# Altium PCB AVCI_Mk1.PcbDoc (part 1 of 4) (continued)
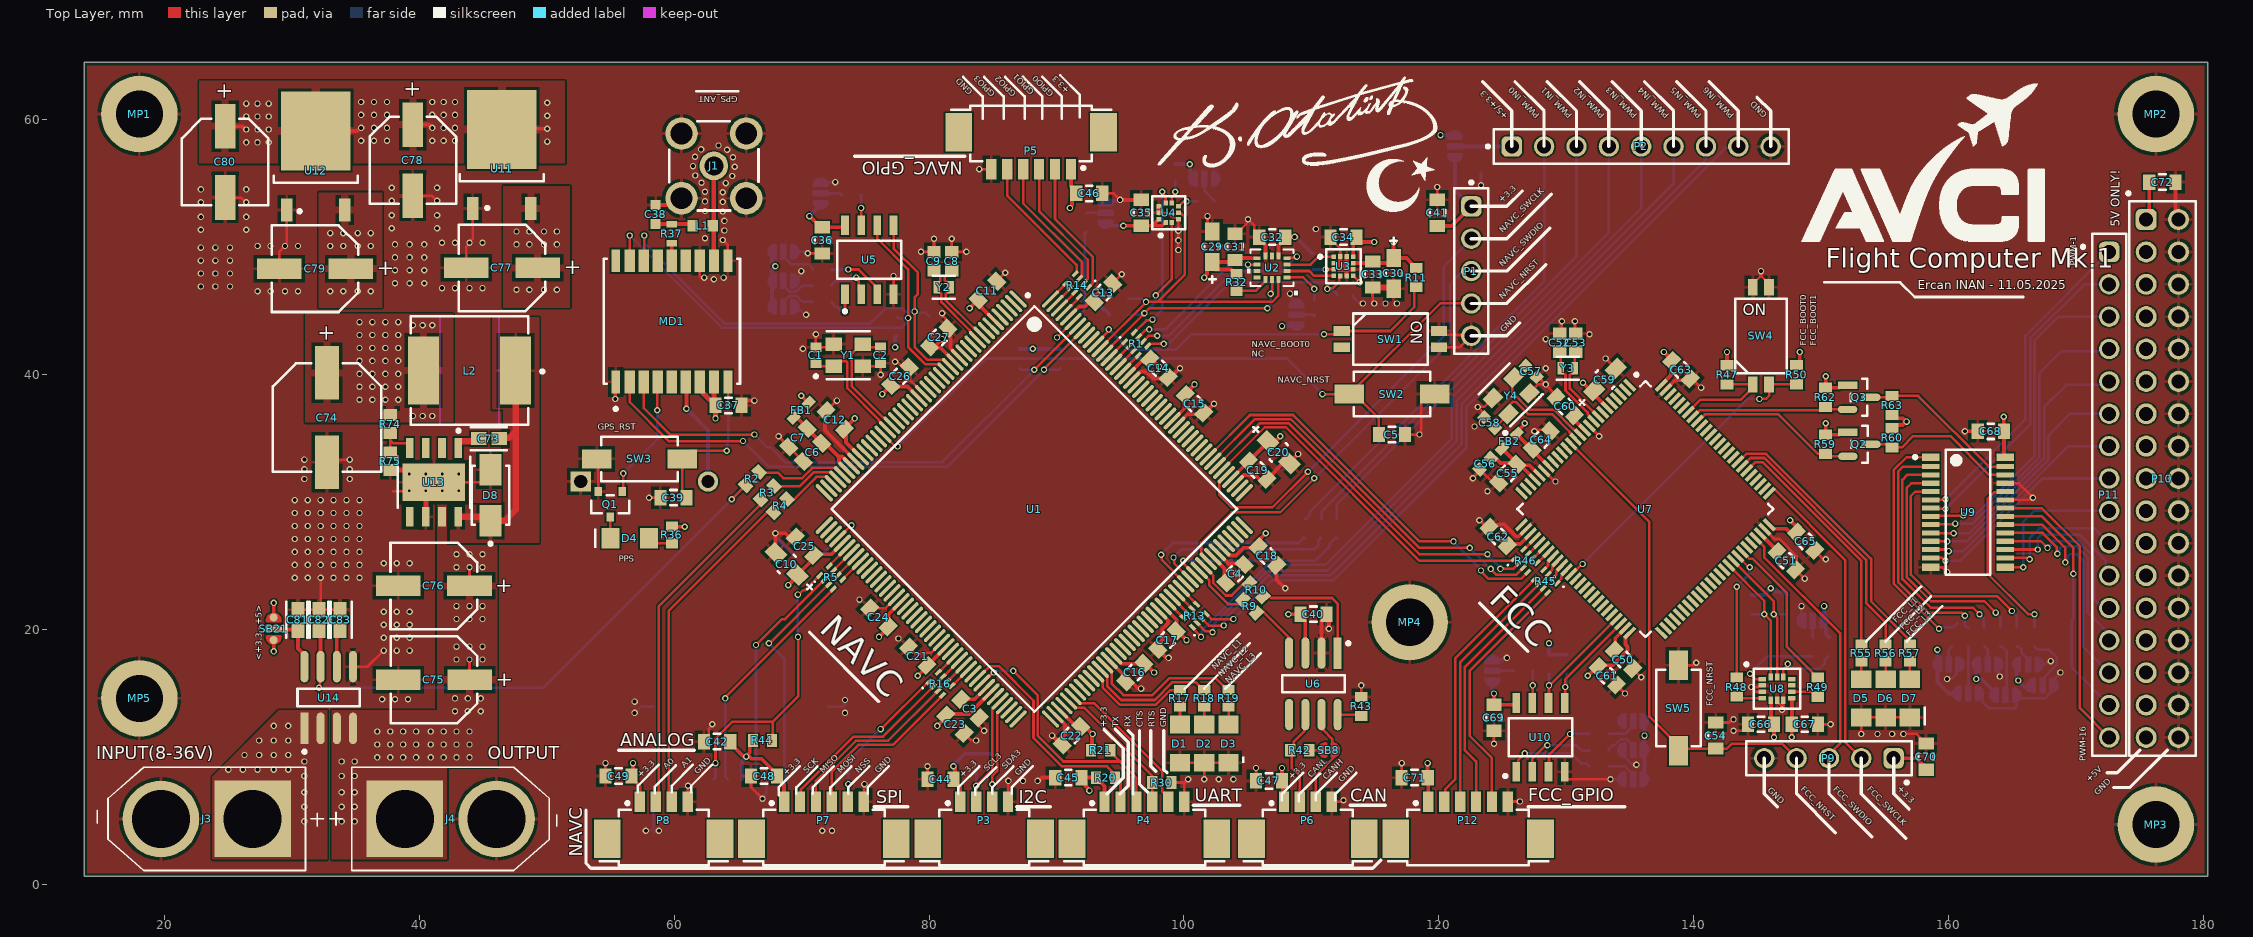
[diagram p0: Top Layer view]
## Components (designator, comment, footprint, x,y, rotation, side; value= is the part's Value field where it differs from the comment)
BT1 "CR-1220/HFN" FP-CR-1220-HFN-MFG 56.007,31.623 r0 bottom locked
C1 "10pF" CAPC1608X90X35LL10T15 71.12,41.529 r270 top locked
C2 "10pF" CAPC1608X90X35LL10T15 76.2,41.529 r90 top locked
C3 "2.2uF" FP-CGA3E-0_3-0_1-IPC_A 83.222,13.806 r315 top locked
C4 "2.2uF" FP-CGA3E-0_3-0_1-IPC_A 104.013,24.384 r45 top locked
C5 "100nF" FP-CGA3E-0_3-0_1-IPC_A 116.332,35.306 r0 top locked
C6 "100nF" FP-CGA3E-0_3-0_1-IPC_A 70.866,33.909 r225 top locked
C7 "1uF" FP-CGA3E-0_3-0_1-IPC_A 69.723,35.052 r225 top locked
C8 "22pF" CAPC1608X90X35ML10T15 81.788,48.895 r270 top locked
C9 "22pF" CAPC1608X90X35ML10T15 80.391,48.895 r270 top locked
C10 "10uF" FP-T491A106K006AT-MFG 68.834,25.146 r315 top locked
C11 "100nF" FP-CGA3E-0_3-0_1-IPC_A 84.582,46.609 r45 top locked
C12 "100nF" FP-CGA3E-0_3-0_1-IPC_A 72.644,36.449 r135 top locked
C13 "100nF" FP-CGA3E-0_3-0_1-IPC_A 93.689,46.445 r45 top locked
C14 "100nF" FP-CGA3E-0_3-0_1-IPC_A 98.044,40.513 r315 top locked
C15 "100nF" FP-CGA3E-0_3-0_1-IPC_A 100.838,37.719 r315 top locked
C16 "100nF" FP-CGA3E-0_3-0_1-IPC_A 96.139,16.637 r225 top locked
C17 "100nF" FP-CGA3E-0_3-0_1-IPC_A 98.679,19.177 r225 top locked
C18 "100nF" FP-CGA3E-0_3-0_1-IPC_A 106.553,25.781 r315 top locked
C19 "100nF" FP-CGA3E-0_3-0_1-IPC_A 105.791,32.512 r315 top locked
C20 "10uF" FP-T491A106K006AT-MFG 107.442,33.909 r135 top locked
C21 "100nF" FP-CGA3E-0_3-0_1-IPC_A 79.121,17.907 r135 top locked
C22 "100nF" FP-CGA3E-0_3-0_1-IPC_A 91.186,11.684 r225 top locked
C23 "100nF" FP-CGA3E-0_3-0_1-IPC_A 82.042,12.573 r315 top locked
C24 "100nF" FP-CGA3E-0_3-0_1-IPC_A 76.073,20.955 r135 top locked
C25 "100nF" FP-CGA3E-0_3-0_1-IPC_A 70.231,26.543 r135 top locked
C26 "100nF" FP-CGA3E-0_3-0_1-IPC_A 77.724,39.878 r45 top locked
C27 "100nF" FP-CGA3E-0_3-0_1-IPC_A 80.772,42.926 r45 top locked
C28 "220nF" FP-C0603C-CF-MFG 112.649,46.228 r0 bottom locked value="0.22 μF"
C29 "10uF" FP-T491A106K006AT-MFG 102.235,50.038 r270 top locked
C30 "10uF" FP-T491A106K006AT-MFG 116.459,47.949 r90 top locked
C31 "100nF" FP-CGA3E-0_3-0_1-IPC_A 104.013,50.038 r90 top locked
C32 "100nF" FP-CGA3E-0_3-0_1-IPC_A 106.934,50.8 r180 top locked
C33 "100nF" FP-CGA3E-0_3-0_1-IPC_A 114.808,47.87 r270 top locked
C34 "100nF" FP-CGA3E-0_3-0_1-IPC_A 112.522,50.8 r180 top locked
C35 "100nF" FP-CGA3E-0_3-0_1-IPC_A 96.651,52.714 r90 top locked
C36 "100nF" FP-CGA3E-0_3-0_1-IPC_A 71.628,50.546 r270 top locked
C37 "100nF" FP-CGA3E-0_3-0_1-IPC_A 64.262,37.592 r0 top locked
C38 "885012206065" WCAP-CSGP_0603_L1.6W0.8H0.8_Reflow 58.547,52.578 r270 top locked
C39 "100nF" FP-CGA3E-0_3-0_1-IPC_A 59.944,30.353 r180 top locked
C40 "100nF" FP-CGA3E-0_3-0_1-IPC_A 110.165,21.209 r0 top locked
C41 "100nF" FP-CGA3E-0_3-0_1-IPC_A 119.888,52.705 r90 top locked
C42 "100nF" FP-CGA3E-0_3-0_1-IPC_A 63.377,11.209 r180 top
C43 "100nF" FP-CGA3E-0_3-0_1-IPC_A 123.317,56.896 r270 bottom locked
C44 "100nF" FP-CGA3E-0_3-0_1-IPC_A 80.899,8.255 r180 top locked
C45 "100nF" FP-CGA3E-0_3-0_1-IPC_A 90.932,8.382 r180 top locked
C46 "100nF" FP-CGA3E-0_3-0_1-IPC_A 92.574,54.229 r0 top locked
C47 "100nF" FP-CGA3E-0_3-0_1-IPC_A 106.68,8.128 r180 top locked
C48 "100nF" FP-CGA3E-0_3-0_1-IPC_A 67.056,8.509 r180 top locked
C49 "100nF" FP-CGA3E-0_3-0_1-IPC_A 55.635,8.509 r180 top locked
C50 "2.2uF" FP-CGA3E-0_3-0_1-IPC_A 134.493,17.653 r315 top locked
C51 "2.2uF" FP-CGA3E-0_3-0_1-IPC_A 147.268,25.4 r315 top locked
C52 "22pF" CAPC1608X90X35ML10T15 129.488,42.508 r270 top locked
C53 "22pF" CAPC1608X90X35ML10T15 130.758,42.508 r270 top locked
C54 "100nF" FP-CGA3E-0_3-0_1-IPC_A 141.732,11.684 r90 top locked
C55 "100nF" FP-CGA3E-0_3-0_1-IPC_A 125.424,32.258 r225 top locked
C56 "1uF" CAPC1608X87X35LL15T15 123.646,33.02 r45 top locked
C57 "10pF" CAPC1608X90X35LL10T15 127.254,40.259 r135 top locked
C58 "10pF" CAPC1608X90X35LL10T15 123.992,36.229 r315 top locked
C59 "10uF" FP-T491A106K006AT-MFG 133.044,39.624 r225 top locked
C60 "100nF" FP-CGA3E-0_3-0_1-IPC_A 129.934,37.515 r135 top locked
C61 "100nF" FP-CGA3E-0_3-0_1-IPC_A 133.223,16.383 r315 top locked
C62 "100nF" FP-CGA3E-0_3-0_1-IPC_A 124.662,27.305 r135 top locked
C63 "100nF" FP-CGA3E-0_3-0_1-IPC_A 139.013,40.386 r315 top locked
C64 "100nF" FP-CGA3E-0_3-0_1-IPC_A 128.054,34.888 r45 top locked
C65 "100nF" FP-CGA3E-0_3-0_1-IPC_A 148.792,26.924 r315 top locked
C66 "100nF" FP-CGA3E-0_3-0_1-IPC_A 145.288,12.573 r180 top locked
C67 "100nF" FP-CGA3E-0_3-0_1-IPC_A 148.726,12.573 r0 top locked
C68 "100nF" FP-CGA3E-0_3-0_1-IPC_A 163.322,35.56 r180 top locked
C69 "100nF" FP-CGA3E-0_3-0_1-IPC_A 124.333,13.081 r90 top locked
C70 "100nF" FP-CGA3E-0_3-0_1-IPC_A 158.242,10.033 r90 top locked
C71 "100nF" FP-CGA3E-0_3-0_1-IPC_A 118.11,8.382 r180 top locked
C72 "100nF" FP-CGA3E-0_3-0_1-IPC_A 176.784,55.118 r0 top locked
C73 "10nF" FP-GRM188-0_1-e0_2_0_55-IPC_A 45.466,34.989 r180 top locked
C74 "220uF" WCAP-ASLI_D8H10.5 32.766,36.639 r90 top locked
C75 "47uF" WCAP-PSLP_D6.3H7.7 41.148,16.066 r0 top locked
C76 "47uF" WCAP-PSLP_D6.3H7.7 41.142,23.431 r0 top locked
C77 "10uF" WCAP-ASLL_D6.3H5.5 46.482,48.387 r0 top locked
C78 "10uF" WCAP-ASLL_D6.3H5.5 39.497,56.832 r90 top locked
C79 "10uF" WCAP-ASLL_D6.3H5.5 31.824,48.323 r0 top locked
C80 "10uF" WCAP-ASLL_D6.3H5.5 24.765,56.706 r90 top locked
C81 "100nF" FP-GRM188-0_1-e0_2_0_55-IPC_A 30.48,20.764 r90 top locked
C82 "10nF" FP-GRM188-0_1-e0_2_0_55-IPC_A 32.131,20.764 r90 top locked
C83 "1nF" FP-GRM188-0_1-e0_2_0_55-IPC_A 33.782,20.764 r90 top locked
D1 "150120SS75000" WL-SMCW_1206_150120xx75000 99.695,11.049 r90 top locked
D2 "150120SS75000" WL-SMCW_1206_150120xx75000 101.6,11.049 r90 top locked
D3 "150120SS75000" WL-SMCW_1206_150120xx75000 103.505,11.049 r90 top locked
D4 "150120SS75000" WL-SMCW_1206_150120xx75000 56.515,27.178 r0 top locked
D5 "150120SS75000" WL-SMCW_1206_150120xx75000 153.162,14.605 r90 top locked
D6 "150120SS75000" WL-SMCW_1206_150120xx75000 155.067,14.605 r90 top locked
D7 "150120SS75000" WL-SMCW_1206_150120xx75000 156.972,14.605 r90 top locked
D8 "B340A-13-F" FP-SMA-MFG 45.593,30.543 r90 top locked
FB1 "742792651" WE-CBF_0603_L1.6W0.8H0.8_HC 69.977,37.211 r225 top locked
FB2 "742792651" WE-CBF_0603_L1.6W0.8H0.8_HC 125.551,34.798 r225 top locked
J1 "60312002114503" 60312002114503 63.119,56.388 r270 top locked
J2 "693072010801" 693072010801 65.223,10.955 r180 bottom
J3 "XT60-M" AMASS_XT60-M 23.324,5.143 r180 top locked
J4 "XT60-F" AMASS_XT60-M 42.462,5.143 r0 top locked
L1 "7447860127" WE-MK_0603_L1.6W0.8H0.8 62.23,51.689 r0 top locked
L2 "74437358100" WE-LHMI_8040 43.942,40.322 r180 top locked
MD1 "MAX-M10S-00B" FP-MAX-M10S-00B-MFG 59.817,44.196 r90 top locked
MP1 "9774005151R" 9774005151 1288.034,1330.452 r0 top locked
MP2 "9774005151R" 9774005151 1446.276,1330.452 r0 top locked
MP3 "9774005151R" 9774005151 1446.276,1274.699 r0 top locked
MP4 "9774005151R" 9774005151 1387.729,1290.574 r0 top locked
MP5 "9774005151R" 9774005151 1288.034,1284.605 r0 top locked
P1 "61300511121" 61300511121 122.555,48.133 r270 top locked
P2 "61300911121" 61300911121 135.89,57.912 r0 top locked
P3 "653104131822" 653104131822 84.328,3.683 r0 top locked
P4 "653106131822" 653106131822 96.901,3.683 r0 top locked
P5 "653106131822" 653106131822 88.011,58.928 r180 top locked
P6 "653104131822" 653104131822 109.728,3.683 r0 top locked
P7 "653106131822" 653106131822 71.755,3.683 r0 top locked
P8 "653104131822" 653104131822 59.182,3.683 r0 top locked
P9 "61300511121" 61300511121 150.622,9.906 r180 top locked
P10 "61303421121" 61303421121 176.784,31.858 r270 top locked
P11 "61301611121" 61301611121 172.611,30.588 r270 top locked
P12 "653106131822" 653106131822 122.301,3.683 r0 top locked
Q1 "PDTC114ET,215" FP-SOT23-MFG 54.991,29.845 r270 top locked
Q2 "BSS138" FP-318-08-IPC_B 153.014,34.544 r0 top locked
Q3 "BSS138" FP-318-08-IPC_B 152.993,38.227 r0 top locked
R1 "EXB-N8V220JX" BOUR-CAT10_V 96.266,42.418 r45 top locked
R2 "22R" RESC1608X55X25ML10T15 66.145,31.855 r45 top locked
R3 "22R" RESC1608X55X25ML10T15 67.31,30.734 r45 top locked
R4 "22R" RESC1608X55X25ML10T15 68.326,29.718 r45 top locked
R5 "EXB-N8V220JX" BOUR-CAT10_V 72.323,24.09 r45 top locked
R6 "22R" RESC1608X55X25ML10T15 109.474,27.94 r270 bottom locked
R7 "22R" RESC1608X55X25ML10T15 110.744,27.94 r270 bottom locked
R8 "22R" RESC1608X55X25ML10T15 112.014,27.94 r270 bottom locked
R9 "22R" RESC1608X55X25ML10T15 105.156,21.844 r135 top locked
R10 "22R" RESC1608X55X25ML10T15 105.664,23.114 r135 top locked
R11 "10K" RESC1608X55X25ML10T15 118.237,47.625 r270 top locked
R12 "10K" RESC1608X55X25ML10T15 70.104,25.781 r0 bottom locked
R13 "EXB-N8V220JX" BOUR-CAT10_V 100.838,21.082 r135 top locked
R14 "EXB-N8V220JX" BOUR-CAT10_V 91.634,47.03 r225 top locked
R15 "10K" RESC1608X55X25ML10T15 92.329,51.943 r90 bottom locked
R16 "EXB-N8V220JX" BOUR-CAT10_V 80.899,15.748 r45 top locked
R17 "470R" RESC1609X50X30NL8T20 99.695,14.605 r270 top locked
R18 "470R" RESC1609X50X30NL8T20 101.6,14.605 r270 top locked
R19 "470R" RESC1609X50X30NL8T20 103.505,14.605 r270 top locked
R20 "100K" RESC1608X55X25ML10T15 93.853,8.382 r180 top locked
R21 "100K" RESC1608X55X25ML10T15 93.472,10.541 r180 top locked
R22 "100K" RESC1608X55X25ML10T15 87.122,41.275 r90 bottom locked
R23 "100K" RESC1608X55X25ML10T15 90.297,41.275 r90 bottom locked
R24 "4K7" RESC1608X55X25ML10T15 94.869,44.704 r180 bottom locked
R25 "4K7" RESC1608X55X25ML10T15 94.869,45.974 r180 bottom locked
R26 "4K7" RESC1608X55X25ML10T15 77.343,43.815 r270 bottom locked
R27 "4K7" RESC1608X55X25ML10T15 80.01,43.815 r270 bottom locked
R28 "4K7" RESC1608X55X25ML10T15 83.693,9.513 r90 bottom locked
R29 "4K7" RESC1608X55X25ML10T15 84.963,9.64 r90 bottom locked
R30 "100K" RESC1608X55X25ML10T15 98.276,8.001 r180 top locked
R31 "10K" RESC1609X50X30NL8T20 110.109,48.895 r90 bottom locked
R32 "10K" RESC1609X50X30NL8T20 104.14,47.244 r270 top locked
R33 "10K" RESC1609X50X30NL8T20 99.318,55.889 r90 bottom locked
R34 "10K" RESC1609X50X30NL8T20 110.236,45.212 r90 bottom locked
R35 "10K" RESC1609X50X30NL8T20 101.731,53.603 r180 bottom locked
R36 "470R" RESC1609X50X30NL8T20 59.817,27.432 r90 top locked
R37 "560050316012" WRIS-KSKE_0603_L1.6W0.8H0.45 59.817,51.054 r90 top locked
R38 "10K" RESC1608X55X25ML10T15 71.628,45.72 r0 bottom locked
R39 "10K" RESC1608X55X25ML10T15 71.628,48.26 r0 bottom locked
R40 "10K" RESC1608X55X25ML10T15 71.628,46.99 r0 bottom locked
R41 "10K" RESC1608X55X25ML10T15 73.914,54.102 r0 bottom locked
R42 "120R" RESC1608X55X25ML10T15 109.093,10.541 r180 top locked
R43 "10K" RESC1608X55X25ML10T15 113.919,13.97 r90 top locked
R44 "10K" RESC1608X55X25ML10T15 66.929,11.303 r180 top
R45 "EXB-N8V220JX" BOUR-CAT10_V 128.399,23.787 r225 top locked
R46 "EXB-N8V220JX" BOUR-CAT10_V 126.821,25.4 r45 top locked
R47 "10K" RESC1608X55X25ML10T15 142.621,39.993 r270 top locked
R48 "22R" RESC1608X55X25ML10T15 143.383,15.494 r90 top locked
R49 "22R" RESC1608X55X25ML10T15 149.733,15.482 r90 top locked
R50 "10K" RESC1608X55X25ML10T15 148.082,40.005 r270 top locked
R51 "4K7" RESC1608X55X25ML10T15 128.651,17.272 r90 bottom locked
R52 "4K7" RESC1608X55X25ML10T15 130.048,17.272 r90 bottom locked
R53 "4K7" RESC1608X55X25ML10T15 147.32,21.971 r90 bottom locked
R54 "4K7" RESC1608X55X25ML10T15 144.526,21.971 r90 bottom locked
R55 "470R" RESC1609X50X30NL8T20 153.162,18.161 r270 top locked
R56 "470R" RESC1609X50X30NL8T20 155.067,18.161 r270 top locked
R57 "470R" RESC1609X50X30NL8T20 156.972,18.161 r270 top locked
R58 "10K" RESC1608X55X25ML10T15 149.352,18.669 r90 bottom locked
R59 "10K" RESC1608X55X25ML10T15 150.347,34.544 r90 top locked
R60 "10K" RESC1608X55X25ML10T15 155.575,35.052 r90 top locked
R61 "10K" RESC1608X55X25ML10T15 150.622,18.669 r270 bottom locked
R62 "10K" RESC1608X55X25ML10T15 150.347,38.227 r90 top locked
R63 "10K" RESC1608X55X25ML10T15 155.575,37.592 r270 top locked
R64 "10K" RESC1608X55X25ML10T15 132.588,9.271 r180 bottom locked
R65 "10K" RESC1608X55X25ML10T15 132.576,11.811 r180 bottom locked
R66 "10K" RESC1608X55X25ML10T15 160.274,19.431 r270 bottom locked
R67 "10K" RESC1608X55X25ML10T15 162.814,19.431 r270 bottom locked
R68 "10K" RESC1608X55X25ML10T15 165.354,19.443 r270 bottom locked
R69 "10K" RESC1608X55X25ML10T15 132.588,10.541 r180 bottom locked
R70 "10K" RESC1608X55X25ML10T15 126.631,16.764 r0 bottom locked
R71 "10K" RESC1608X55X25ML10T15 161.544,19.431 r270 bottom locked
R72 "10K" RESC1608X55X25ML10T15 164.084,19.431 r270 bottom locked
R73 "10K" RESC1608X55X25ML10T15 166.751,19.431 r270 bottom locked
R74 "10K" RESC1608X90X30ML15T20 37.719,36.131 r90 top locked
R75 "3K2" RESC1608X90X30ML15T20 37.719,33.21 r90 top locked
SB1 "Solderbridge3P" SolderBridge3P#1 93.853,52.705 r90 bottom locked
SB2 "Solderbridge3P" SolderBridge3P#1 108.839,44.704 r90 bottom locked
SB3 "Solderbridge3P" SolderBridge3P#2 101.604,55.381 r0 bottom locked
SB4 "Solderbridge3P" SolderBridge3P#1 68.58,45.339 r0 bottom locked
SB5 "Solderbridge3P" SolderBridge3P#1 68.58,49.657 r0 bottom locked
SB6 "Solderbridge3P" SolderBridge3P#3 68.58,47.371 r0 bottom locked
SB7 "Solderbridge3P" SolderBridge3P#1 71.501,54.229 r90 bottom locked
SB8 "SolderbridgeOpen" SolderBridgeOpen 111.379,10.541 r0 top locked
SB9 "Solderbridge3P" SolderBridge3P#1 121.285,57.912 r270 bottom locked
SB10 "Solderbridge3P" SolderBridge3P#3 149.352,20.701 r180 bottom locked
SB11 "Solderbridge3P" SolderBridge3P#2 135.255,12.827 r180 bottom locked
SB12 "Solderbridge3P" SolderBridge3P#1 135.255,8.255 r180 bottom locked
SB13 "Solderbridge3P" SolderBridge3P#4 163.068,17.272 r0 bottom locked
SB14 "Solderbridge3P" SolderBridge3P#3 160.02,17.272 r0 bottom locked
SB15 "Solderbridge3P" SolderBridge3P#5 166.243,17.272 r0 bottom locked
SB16 "Solderbridge3P" SolderBridge3P#3 135.255,10.541 r180 bottom locked
SB17 "Solderbridge3P" SolderBridge3P#1 124.206,16.764 r90 bottom locked
SB18 "Solderbridge3P" SolderBridge3P#6 164.465,14.859 r0 bottom
SB19 "Solderbridge3P" SolderBridge3P#7 161.544,14.986 r0 bottom
SB20 "Solderbridge3P" SolderBridge3P#4 167.386,15.621 r0 bottom locked
SB21 "Solderbridge3P" SolderBridge3P#3 28.575,20.066 r270 top locked
SW1 "416131160802" 416131160802 116.205,42.799 r270 top locked
SW2 "434121043816" 434121043816 116.332,38.481 r0 top locked
SW3 "434121043816" 434121043816 57.277,33.401 r180 top locked
SW4 "416131160802" 416131160802 145.288,43.053 r0 top locked
SW5 "434121043816" 434121043816 138.811,13.843 r90 top locked
U1 "STM32F746IGT6" STM-LQFP176_N 88.265,29.464 r315 top locked
U2 "ASM330LHHXG1" LGA-14L_STM 106.916,48.391 r180 top locked
U3 "IIS2MDCTR" FP-LGA-12-DM00170568-MFG 112.522,48.514 r0 top locked
U4 "LPS22HBTR" FP-HLGA-10L-8479831-0 98.81,52.706 r90 top locked
U5 "24LC64T-I/SN" FP-C04-057-SN-MFG 75.311,49.022 r90 top locked
U6 "SN65HVD230DR" FP-D0008A-IPC_A 110.165,15.748 r270 top locked
U7 "STM32F407VGT6" FP-LQFP100-1L-MFG 136.219,29.464 r315 top locked
U8 "LSM6DSLTR" FP-LGA-14L-DM00249496-MFG 146.549,15.367 r0 top locked
U9 "PCA9685PW,118" FP-SOT361-1-MFG 161.535,29.21 r0 top locked
U10 "24LC64T-I/SN" FP-C04-057-SN-MFG 127.98,11.548 r90 top locked
U11 "LD1086DT33TR" TO-252_L 46.482,57.245 r90 top locked
U12 "LD1086DT33TR" TO-252_L 31.877,57.118 r90 top locked
U13 "TPS5430DDA" FP-DDA0008J-MFG 41.148,31.559 r270 top locked
U14 "ACS724LLCTR-30AB-T" FP-LCN-8-IPC_A 32.893,14.672 r90 top locked
Y1 "ABM8-25.000MHZ-10-D1G-T" FP-ABM8-MFG 73.66,41.529 r0 top locked
Y2 "ABS05-32.768KHZ-T" FP-ABS05-MFG 81.153,46.863 r180 top locked
Y3 "ABS05-32.768KHZ-T" FP-ABS05-MFG 130.123,40.513 r0 top locked
Y4 "ABM8-25.000MHZ-10-D1G-T" FP-ABM8-MFG 125.678,38.354 r45 top locked

## Footprints (in the part's own frame and the unit in brackets; to place one, negate y for a bottom-side part, rotate by r counter-clockwise, add the part's x,y. Pads: shape width x height; smd on the part's side, far side on the other; paste and mask are expansions set on the pad)
9774005151 [mm] "SMT Steel Spacer with internal Thread M2.5, height 0.5mm"
  round 6 hole 3.7: 1(-1270,-1270)
  body extent -1272.55,-1272.55 -1267.45,-1267.45, height 0.5
61300511121 [mm] "Pin Header, pitch 2.54 mm, THT, Vertical, single row, 5p"
  rrect50% 1.6x1.6 hole 1.1: 1(-5.08,0)
  round 1.6 hole 1.1: 2(-2.54,0) 3(0,0) 4(2.54,0) 5(5.08,0)
  silkscreen extent -7.07,-1.35 6.5,1.35, body extent -6.35,-1.27 6.35,1.27, height 8.57
61300911121 [mm] "Pin Header, pitch 2.54 mm, THT, Vertical, single row, 9p"
  rrect50% 1.6x1.6 hole 1.1: 1(-10.16,0)
  round 1.6 hole 1.1: 2(-7.62,0) 3(-5.08,0) 4(-2.54,0) 5(0,0) 6(2.54,0) 7(5.08,0) 8(7.62,0) 9(10.16,0)
  silkscreen extent -12.15,-1.35 11.58,1.35, body extent -11.43,-1.27 11.43,1.27, height 8.57
61301611121 [mm] "Pin Header, pitch 2.54 mm, THT, Vertical, single row, 16p"
  rrect50% 1.6x1.6 hole 1.1: 1(-19.05,0)
  round 1.6 hole 1.1: 2(-16.51,0) 3(-13.97,0) 4(-11.43,0) 5(-8.89,0) 6(-6.35,0) 7(-3.81,0) 8(-1.27,0) 9(1.27,0) 10(3.81,0) 11(6.35,0) 12(8.89,0) 13(11.43,0) 14(13.97,0) 15(16.51,0) 16(19.05,0)
  silkscreen extent -20.47,-2.18 20.47,1.35, body extent -20.32,-1.27 20.32,1.27, height 8.57
61303421121 [mm] "Pin Header, pitch 2.54 mm, THT, Vertical, dual row, 34p"
  rrect50% 1.65x1.65 hole 1.1: 1(-20.32,-1.27)
  round 1.65 hole 1.1: 2(-20.32,1.27) 3(-17.78,-1.27) 4(-17.78,1.27) 5(-15.24,-1.27) 6(-15.24,1.27) 7(-12.7,-1.27) 8(-12.7,1.27) 9(-10.16,-1.27) 10(-10.16,1.27) 11(-7.62,-1.27) 12(-7.62,1.27) 13(-5.08,-1.27) 14(-5.08,1.27) 15(-2.54,-1.27) 16(-2.54,1.27) 17(0,-1.27) 18(0,1.27) 19(2.54,-1.27) 20(2.54,1.27) 21(5.08,-1.27) 22(5.08,1.27) 23(7.62,-1.27) 24(7.62,1.27) 25(10.16,-1.27) 26(10.16,1.27) 27(12.7,-1.27) 28(12.7,1.27) 29(15.24,-1.27) 30(15.24,1.27) 31(17.78,-1.27) 32(17.78,1.27) 33(20.32,-1.27) 34(20.32,1.27)
  silkscreen extent -22.5,-2.79 21.74,2.62, body extent -21.59,-2.54 21.59,2.54, height 8.59
416131160802 [mm] "SMD Dip Switch, Small Compact, Raised Actuator, 2pin"
  rect 0.76x1.27 smd: 1(-0.635,-3.81) 2(0.635,-3.81) 3(0.635,3.81) 4(-0.635,3.81)
  silkscreen extent -2,-2.93 2,2.93, body extent -1.85,-4.22 1.86,4.22, height 2.7
434121043816 [mm] "SMD Tact Switch, body 6x3.5mm"
  rect 2.3x1.5 smd: 1(-3.35,0) 2(3.35,0)
  silkscreen extent -3,-1.75 3,1.75, body extent -4,-1.75 4,1.75, height 4.3
653104131822 [mm] "1.25mm SMT Male Horizontal Shrouded Header, 4p"
  rect 0.81x1.6 smd: 1(-1.875,2.8) 2(-0.625,2.8) 3(0.625,2.8) 4(1.875,2.8)
  rect 2.1x3 smd: MP1(-4.425,-0.1) MP2(4.425,-0.1)
  silkscreen extent -5.02,-2.17 5.02,2.82, body extent -4.88,-2.1 4.88,3.3, height 3.4
653106131822 [mm] "1.25mm SMT Male Horizontal Shrouded Header, 6p"
  rect 0.81x1.6 smd: 1(-3.125,2.8) 2(-1.875,2.8) 3(-0.625,2.8) 4(0.625,2.8) 5(1.875,2.8) 6(3.125,2.8)
  rect 2.1x3 smd: MP1(-5.675,-0.1) MP2(5.675,-0.1)
  silkscreen extent -6.27,-2.17 6.27,2.82, body extent -6.13,-2.1 6.13,3.3, height 3.4
693072010801 [mm] "Micro SD Card Connector Hinge - 8 Pins"
  rect 0.8x1.5 smd: 1(3.2,-2.7) 2(2.1,-2.7) 3(1,-2.7) 4(-0.1,-2.7) 5(-1.2,-2.7) 6(-2.3,-2.7) 7(-3.4,-2.7) 8(-4.5,-2.7)
  rect 1.45x2 smd: Shell(-6.875,-5.3) Shell(-6.875,3) Shell(6.875,-5.3) Shell(6.875,3)
  silkscreen extent -6.8,-6.85 6.8,6.85, body extent -7.25,-6.85 7.25,6.85, height 1.79
60312002114503 [mm] "SMA PCB THT Jack Straight"
  round 2.25 hole 1.5: 1(0,0)
  round 2.55 hole 1.7: 2(-2.54,2.54) 3(2.54,2.54) 4(2.54,-2.54) 5(-2.54,-2.54)
  silkscreen extent -3.5,-3.5 3.5,3.5, body extent -3.5,-3.5 3.5,3.5, height 9.56
AMASS_XT60-M [mm]
  round 6 hole 4.55: N(3.6,0)
  rect 6x6 / inner round 6 / far side rect 6x6 hole 4.55: P(-3.6,0)
  silkscreen extent -9.19,-4.05 8.59,4.05, body extent -7.75,-4.05 7.75,4.05, height 16
BOUR-CAT10_V [mm] "SMD, 8-Leads, Body 2x1mm, Pitch 0.5mm"
  rect 0.6x0.275 smd: 1(-0.525,0.75) 2(-0.525,0.25) 3(-0.525,-0.25) 4(-0.525,-0.75) 5(0.525,-0.75) 6(0.525,-0.25) 7(0.525,0.25) 8(0.525,0.75)
  silkscreen extent -0.59,1.21 -0.49,1.31, body extent -0.5,-1 0.5,1, height 0.38
CAPC1608X87X35LL15T15 [mm] "Chip Capacitor, 2-Leads, Body 1.60x0.80mm, IPC High Density"
  rect 0.8x0.9 smd: 1(-0.625,0) 2(0.625,0)
  body extent -0.87,-0.48 0.87,0.48, height 0.87
CAPC1608X90X35LL10T15 [mm] "Chip Capacitor, 2-Leads, Body 1.60x0.80mm, IPC High Density"
  rect 0.75x0.85 smd: 1(-0.625,0) 2(0.625,0)
  body extent -0.85,-0.45 0.85,0.45, height 0.9
CAPC1608X90X35ML10T15 [mm] "Chip Capacitor, 2-Leads, Body 1.7x0.9mm, IPC Low Density"
  rect 0.95x1.05 smd: 1(-0.725,0) 2(0.725,0)
  body extent -0.85,-0.45 0.85,0.45, height 0.9
FP-318-08-IPC_B [mm]
  rect 1.524x0.578 smd paste+0 mask+0: 1(-0.91,0.95)
  rrect100% 1.524x0.578 smd paste+0 mask+0: 2(-0.91,-0.95) 3(0.91,0)
  silkscreen extent -0.65,-1.45 0.65,1.45, body extent -1.92,-1.7 1.92,1.7, height 0.25
FP-ABM8-MFG [mm]
  rect 1.3x1.05 smd paste+0 mask+0: 1(-1.15,-0.875) 2(1.15,-0.875) 3(1.15,0.875) 4(-1.15,0.875)
  silkscreen extent -2.66,-1.88 1.7,1.88, body extent -1.9,-1.5 1.9,1.5, height 0.25
FP-ABS05-MFG [mm]
  rect 0.5x1 smd paste+0 mask+0: 1(-0.55,0) 2(0.55,0)
  silkscreen extent -0.85,-0.9 0.85,0.9, body extent -0.95,-0.65 0.95,0.65, height 0.25
FP-C04-057-SN-MFG [mm]
  rect 1.55x0.6 smd paste+0 mask+0: 1(-2.7,1.905) 2(-2.7,0.635) 3(-2.7,-0.635) 4(-2.7,-1.905) 5(2.7,-1.905) 6(2.7,-0.635) 7(2.7,0.635) 8(2.7,1.905)
  silkscreen extent -4.17,-2.5 1.5,2.5, body extent -3.57,-2.75 3.57,2.75, height 0.25
FP-C0603C-CF-MFG [mm]
  rect 0.75x0.9 smd paste+0 mask+0: 1(-0.6,0) 2(0.6,0)
  silkscreen extent -0.87,-0.85 0.88,0.85, body extent -0.8,-0.4 0.8,0.4, height 0.87
FP-CGA3E-0_3-0_1-IPC_A [mm]
  rect 0.956x1.206 smd paste+0 mask+0: 1(-1.025,0) 2(1.025,0)
  body extent -2,-1.1 2,1.1, height 0.25
FP-CR-1220-HFN-MFG [mm]
  rect 1.6x1.6 hole 1.05 paste-2539.97 mask+0: 1(-3.35,0)
  round 1.6 hole 1.05 paste-2539.97 mask+0: 2(6.65,0)
  silkscreen extent -8.3,-6.4 8.4,6.4, body extent -6.75,-6.24 6.75,6.24, height 4.2
FP-D0008A-IPC_A [mm]
  rect 2.469x0.622 smd paste+0 mask+0: 1(-2.414,1.905)
  rrect100% 2.469x0.622 smd paste+0 mask+0: 2(-2.414,0.635) 3(-2.414,-0.635) 4(-2.414,-1.905) 5(2.414,-1.905) 6(2.414,-0.635) 7(2.414,0.635) 8(2.414,1.905)
  silkscreen extent -3.3,-2.45 0.68,2.86, body extent -4.15,-2.95 4.15,2.95, height 0.25
FP-DDA0008J-MFG [mm]
  rect 1.55x0.6 smd paste+0 mask+0: 1(-2.7,1.905) 2(-2.7,0.635) 3(-2.7,-0.635) 4(-2.7,-1.905) 5(2.7,-1.905) 6(2.7,-0.635) 7(2.7,0.635) 8(2.7,1.905)
  rect 2.95x4.9 smd paste-1000 mask-1000: 9(0,0)
  silkscreen extent -4.17,-2.85 2,2.85, body extent -3.57,-2.75 3.57,2.75, height 0.25
FP-GRM188-0_1-e0_2_0_55-IPC_A [mm]
  rect 1.208x1.012 smd paste+0 mask+0: 1(-0.802,0) 2(0.802,0)
  silkscreen extent -1.41,-0.91 1.41,0.91, body extent -1.91,-1.01 1.91,1.01, height 0.25
FP-HLGA-10L-8479831-0 [mm]
  rect 0.375x0.35 smd paste+0 mask+0: 1(-0.763,0.25) 2(-0.763,-0.25) 6(0.763,-0.25) 7(0.763,0.25)
  rect 0.35x0.375 smd paste+0 mask+0: 3(-0.5,-0.763) 4(0,-0.763) 5(0.5,-0.763) 8(0.5,0.763) 9(0,0.763) 10(-0.5,0.763)
  silkscreen extent -1.9,-1.3 1.3,1.3, body extent -1.55,-1.55 1.55,1.55, height 0.25
FP-LCN-8-IPC_A [mm]
  rect 2.474x0.622 smd paste+0 mask+0: 1(-2.416,1.905)
  rrect100% 2.474x0.622 smd paste+0 mask+0: 2(-2.416,0.635) 3(-2.416,-0.635) 4(-2.416,-1.905) 5(2.416,-1.905) 6(2.416,-0.635) 7(2.416,0.635) 8(2.416,1.905)
  silkscreen extent -4.37,-2.45 0.68,2.45, body extent -4.15,-2.95 4.15,2.95, height 0.25
FP-LGA-12-DM00170568-MFG [mm]
  rect 0.375x0.35 smd paste-1000 mask+0: 1(-0.763,0.75) 2(-0.763,0.25) 3(-0.763,-0.25) 4(-0.763,-0.75) 7(0.763,-0.75) 8(0.763,-0.25) 9(0.763,0.25) 10(0.763,0.75)
  rect 0.35x0.375 smd paste-1000 mask+0: 5(-0.25,-0.763) 6(0.25,-0.763) 11(0.25,0.763) 12(-0.25,0.763)
  silkscreen extent -1.95,-1.35 1.35,1.35, body extent -1.55,-1.55 1.55,1.55, height 0.25
FP-LGA-14L-DM00249496-MFG [mm]
  rect 0.575x0.35 smd paste+0 mask+0: 1(-1.162,0.75) 2(-1.162,0.25) 3(-1.162,-0.25) 4(-1.162,-0.75) 8(1.162,-0.75) 9(1.162,-0.25) 10(1.162,0.25) 11(1.162,0.75)
  rect 0.35x0.575 smd paste+0 mask+0: 5(-0.5,-0.913) 6(0,-0.913) 7(0.5,-0.913) 12(0.5,0.913) 13(0,0.913) 14(-0.5,0.913)
  silkscreen extent -2.53,-1.58 1.83,2.03, body extent -2.05,-1.8 2.05,1.8, height 0.25
FP-LQFP100-1L-MFG [mm]
  rect 1.2x0.3 smd paste+0 mask+0: 1(-7.75,6) 2(-7.75,5.5) 3(-7.75,5) 4(-7.75,4.5) 5(-7.75,4) 6(-7.75,3.5) 7(-7.75,3) 8(-7.75,2.5) 9(-7.75,2) 10(-7.75,1.5) 11(-7.75,1) 12(-7.75,0.5) 13(-7.75,0) 14(-7.75,-0.5) 15(-7.75,-1) 16(-7.75,-1.5) 17(-7.75,-2) 18(-7.75,-2.5) 19(-7.75,-3) 20(-7.75,-3.5) 21(-7.75,-4) 22(-7.75,-4.5) 23(-7.75,-5) 24(-7.75,-5.5) 25(-7.75,-6) 51(7.75,-6) 52(7.75,-5.5) 53(7.75,-5) 54(7.75,-4.5) 55(7.75,-4) 56(7.75,-3.5) 57(7.75,-3) 58(7.75,-2.5) 59(7.75,-2) 60(7.75,-1.5) 61(7.75,-1) 62(7.75,-0.5) 63(7.75,0) 64(7.75,0.5) 65(7.75,1) 66(7.75,1.5) 67(7.75,2) 68(7.75,2.5) 69(7.75,3) 70(7.75,3.5) 71(7.75,4) 72(7.75,4.5) 73(7.75,5) 74(7.75,5.5) 75(7.75,6)
  rect 0.3x1.2 smd paste+0 mask+0: 26(-6,-7.75) 27(-5.5,-7.75) 28(-5,-7.75) 29(-4.5,-7.75) 30(-4,-7.75) 31(-3.5,-7.75) 32(-3,-7.75) 33(-2.5,-7.75) 34(-2,-7.75) 35(-1.5,-7.75) 36(-1,-7.75) 37(-0.5,-7.75) 38(0,-7.75) 39(0.5,-7.75) 40(1,-7.75) 41(1.5,-7.75) 42(2,-7.75) 43(2.5,-7.75) 44(3,-7.75) 45(3.5,-7.75) 46(4,-7.75) 47(4.5,-7.75) 48(5,-7.75) 49(5.5,-7.75) 50(6,-7.75) 76(6,7.75) 77(5.5,7.75) 78(5,7.75) 79(4.5,7.75) 80(4,7.75) 81(3.5,7.75) 82(3,7.75) 83(2.5,7.75) 84(2,7.75) 85(1.5,7.75) 86(1,7.75) 87(0.5,7.75) 88(0,7.75) 89(-0.5,7.75) 90(-1,7.75) 91(-1.5,7.75) 92(-2,7.75) 93(-2.5,7.75) 94(-3,7.75) 95(-3.5,7.75) 96(-4,7.75) 97(-4.5,7.75) 98(-5,7.75) 99(-5.5,7.75) 100(-6,7.75)
  silkscreen extent -8.08,-7.1 7.1,7.1, body extent -8.45,-8.45 8.45,8.45, height 0.25
FP-MAX-M10S-00B-MFG [mm]
  rect 1.8x0.7 smd paste-1000 mask+0: 1(-4.75,4.4) 9(-4.75,-4.4) 10(4.75,-4.4) 18(4.75,4.4)
  rect 1.8x0.8 smd paste-1000 mask+0: 2(-4.75,3.3) 3(-4.75,2.2) 4(-4.75,1.1) 5(-4.75,0) 6(-4.75,-1.1) 7(-4.75,-2.2) 8(-4.75,-3.3) 11(4.75,-3.3) 12(4.75,-2.2) 13(4.75,-1.1) 14(4.75,0) 15(4.75,1.1) 16(4.75,2.2) 17(4.75,3.3)
  silkscreen extent -7,-5.35 4.9,5.35, body extent -5.75,-5.45 5.75,5.45, height 0.25
FP-SMA-MFG [mm]
  rect 2.5x1.7 smd paste+0 mask+0: 1(-2,0) 2(2,0)
  silkscreen extent -3.92,-1.46 2.3,1.46, body extent -3.35,-1.56 3.35,1.56, height 0.25
FP-SOT23-MFG [mm]
  rect 0.7x0.6 smd paste-1000 mask+0: 1(-1,0.95) 2(-1,-0.95) 3(1,0)
  silkscreen extent -0.7,-1.5 0.7,1.5, body extent -1.5,-1.65 1.5,1.65, height 0.25
FP-SOT361-1-MFG [mm]
  rect 1.35x0.6 smd paste+0 mask+0: 1(-2.925,4.325) 14(-2.925,-4.325) 15(2.925,-4.325) 28(2.925,4.325)
  rect 1.35x0.4 smd paste+0 mask+0: 2(-2.925,3.575) 3(-2.925,2.925) 4(-2.925,2.275) 5(-2.925,1.625) 6(-2.925,0.975) 7(-2.925,0.325) 8(-2.925,-0.325) 9(-2.925,-0.975) 10(-2.925,-1.625) 11(-2.925,-2.275) 12(-2.925,-2.925) 13(-2.925,-3.575) 16(2.925,-3.575) 17(2.925,-2.925) 18(2.925,-2.275) 19(2.925,-1.625) 20(2.925,-0.975) 21(2.925,-0.325) 22(2.925,0.325) 23(2.925,0.975) 24(2.925,1.625) 25(2.925,2.275) 26(2.925,2.925) 27(2.925,3.575)
  silkscreen extent -4.27,-4.9 1.75,4.9, body extent -3.72,-5.9 3.72,5.9, height 0.25
FP-T491A106K006AT-MFG [mm]
  rect 1.42x1.13 smd paste+0 mask+0: 1(-1.2,0) 2(1.2,0)
  silkscreen extent -0.12,-0.9 2.8,0.9, body extent -2.03,-1.02 2.03,1.02, height 0.25
LGA-14L_STM [mil]
  rect 21x12 smd paste+0 mask+0: 1(-46.5,29.54) 2(-46.5,9.85) 3(-46.5,-9.85) 4(-46.5,-29.54) 8(46.5,-29.54) 9(46.5,-9.85) 10(46.5,9.85) 11(46.5,29.54)
  rect 12x21 smd paste+0 mask+0: 5(-19.69,-36.5) 6(0,-36.5) 7(19.69,-36.5) 12(19.69,36.5) 13(0,36.5) 14(-19.69,36.5)
  silkscreen extent -66,-56 77,56, body extent -61,-51 61,51, height 55
RESC1608X55X25ML10T15 [mm] "Chip Resistor, 2-Leads, Body 1.60x0.80mm, IPC Low Density"
  rect 0.8x1 smd: 1(-0.75,0) 2(0.75,0)
  body extent -0.85,-0.45 0.85,0.45, height 0.55
RESC1608X90X30ML15T20 [mm] "Chip Resistor, 2-Leads, Body 1.60x0.80mm, IPC Low Density"
  rect 0.95x1.05 smd: 1(-0.7,0) 2(0.7,0)
  body extent -0.88,-0.48 0.87,0.48, height 0.9
RESC1609X50X30NL8T20 [mm] "Chip Resistor, 2-Leads, Body 1.65x0.95mm, IPC Medium Density"
  rect 0.8x0.95 smd: 1(-0.65,0) 2(0.65,0)
  body extent -0.82,-0.48 0.82,0.48, height 0.5
SolderBridge3P#1 [mil]
  round 25 smd mask+0: 1(-35,0) 2(35,0)
  rect 20x50 smd mask+0: 3(0,0)
  Top Layer region: -10,25 10,25 10,-25 -10,-25
  Top Layer region: -22.23,-22.96 -30.43,-23.37 -40,-20 -45.48,-13.04 -48.87,-4.93 -48.81,2.48 -46.67,9.46 -43.22,16.18 -36.74,21.27 -29.08,23.78 -22.23,22.52
  Top Layer region: 21.39,22.21 25.99,24.13 40,20 48.03,8.33 47.08,-10.27 36.65,-21.88 21.39,-23.01
  Top Layer lines w10: -25,-20 cw(c-25,0) -37.52,15.59 cw(c-25,0) -25,20 -25,0 -25,-20 ; 25,-20 ccw(c25,0) 36.74,16.19 ccw(c25,0) 25,20 25,0 25,-20
SolderBridge3P#2 [mil]
  round 25 smd mask+0: 1(-35,0) 2(35,0)
  rect 20x50 smd mask+0: 3(0,0)
  Top Layer region: -10,25 10,25 10,-25 -10,-25
  Top Layer region: 21.39,22.21 25.99,24.13 40,20 48.03,8.33 47.08,-10.27 36.65,-21.88 21.39,-23.01
  Top Layer region: -22.23,-22.96 -30.43,-23.37 -40,-20 -45.48,-13.04 -48.87,-4.93 -48.81,2.48 -46.67,9.46 -43.22,16.18 -36.74,21.27 -29.08,23.78 -22.23,22.52
  Top Layer lines w10: -39.51,-13.76 ccw(c-25,0) -25,-20 -25,0 -25,20 ccw(c-25,0) -39.51,-13.76 ; 25,20 cw(c25,0) 25,-20 25,0 25,20
SolderBridge3P#3 [mil]
  round 25 smd mask+0: 1(-35,0) 2(35,0)
  rect 20x50 smd mask+0: 3(0,0)
  Top Layer region: -10,25 10,25 10,-25 -10,-25
  Top Layer region: 21.39,22.21 25.99,24.13 40,20 48.03,8.33 47.08,-10.27 36.65,-21.88 21.39,-23.01
  Top Layer region: -22.23,-22.96 -30.43,-23.37 -40,-20 -45.48,-13.04 -48.87,-4.93 -48.81,2.48 -46.67,9.46 -43.22,16.18 -36.74,21.27 -29.08,23.78 -22.23,22.52
  Top Layer lines w10: -35,17.32 cw(c-25,0) -25,20 -25,0 -25,-20 cw(c-25,0) -35,-17.32 cw(c-25,0) -35,17.32 ; 25,20 cw(c25,0) 43.23,-8.23 cw(c25,0) 25,-20 25,0 25,20
SolderBridge3P#4 [mil]
  round 25 smd mask+0: 1(-35,0) 2(35,0)
  rect 20x50 smd mask+0: 3(0,0)
  Top Layer region: -10,25 10,25 10,-25 -10,-25
  Top Layer region: 21.39,22.21 25.99,24.13 40,20 48.03,8.33 47.08,-10.27 36.65,-21.88 21.39,-23.01
  Top Layer region: -22.23,-22.96 -30.43,-23.37 -40,-20 -45.48,-13.04 -48.87,-4.93 -48.81,2.48 -46.67,9.46 -43.22,16.18 -36.74,21.27 -29.08,23.78 -22.23,22.52
  Top Layer lines w10: -35,17.32 cw(c-25,0) -25,20 -25,10 -25,0 -25,-20 cw(c-25,0) -35,17.32 ; 25,20 cw(c25,0) 35,17.32 cw(c25,0) 25,-20 25,0 25,10 25,20
SolderBridge3P#5 [mil]
  round 25 smd mask+0: 1(-35,0) 2(35,0)
  rect 20x50 smd mask+0: 3(0,0)
  Top Layer region: -10,25 10,25 10,-25 -10,-25
  Top Layer region: 21.39,22.21 25.99,24.13 40,20 48.03,8.33 47.08,-10.27 36.65,-21.88 21.39,-23.01
  Top Layer region: -22.23,-22.96 -30.43,-23.37 -40,-20 -45.48,-13.04 -48.87,-4.93 -48.81,2.48 -46.67,9.46 -43.22,16.18 -36.74,21.27 -29.08,23.78 -22.23,22.52
  Top Layer lines w10: 25,20 cw(c25,0) 45,-0.01 cw(c25,0) 25,-20 25,0 25,20
SolderBridge3P#6 [mil]
  round 25 smd mask+0: 1(-35,0) 2(35,0)
  rect 20x50 smd mask+0: 3(0,0)
  Top Layer region: -10,25 10,25 10,-25 -10,-25
  Top Layer region: 21.39,22.21 25.99,24.13 40,20 48.03,8.33 47.08,-10.27 36.65,-21.88 21.39,-23.01
  Top Layer region: -22.23,-22.96 -30.43,-23.37 -40,-20 -45.48,-13.04 -48.87,-4.93 -48.81,2.48 -46.67,9.46 -43.22,16.18 -36.74,21.27 -29.08,23.78 -22.23,22.52
  Top Layer lines w10: -44.19,-5.62 ccw(c-25,0) -38.12,-15.1 ccw(c-25,0) -36.42,-16.42 ccw(c-25,0) -25,-20 -25,0 -25,20 ccw(c-25,0) -35,17.32 ccw(c-25,0) -44.19,-5.62 ; 25,20 cw(c25,0) 35,17.32 cw(c25,0) 37.01,15.99 cw(c25,0) 40.99,12.01 cw(c25,0) 44.1,5.93 cw(c25,0) 35,-17.32 cw(c25,0) 25,-20 25,0 25,20
SolderBridge3P#7 [mil]
  round 25 smd mask+0: 1(-35,0) 2(35,0)
  rect 20x50 smd mask+0: 3(0,0)
  Top Layer region: -10,25 10,25 10,-25 -10,-25
  Top Layer region: 21.39,22.21 25.99,24.13 40,20 48.03,8.33 47.08,-10.27 36.65,-21.88 21.39,-23.01
  Top Layer region: -22.23,-22.96 -30.43,-23.37 -40,-20 -45.48,-13.04 -48.87,-4.93 -48.81,2.48 -46.67,9.46 -43.22,16.18 -36.74,21.27 -29.08,23.78 -22.23,22.52
  Top Layer lines w10: -45,0 ccw(c-25,0) -35,-17.32 ccw(c-25,0) -25,-20 -25,0 -25,20 ccw(c-25,0) -35,17.32 ccw(c-25,0) -45,0 ; 25,20 cw(c25,0) 43.23,8.23 cw(c25,0) 25,-20 25,0 25,20
SolderBridgeOpen [mil]
  round 10 smd mask+0: 1(-20,0) 2(20,0)
  Top Layer region: -10,-20 -20,-15 -25,-10 -30,-5 -30,10 -20,20 -10,20
  Top Layer region: 9.47,20.24 19.47,15.24 24.47,10.24 29.47,5.24 29.47,-9.76 19.47,-19.76 9.47,-19.76
  Top Layer lines w10: -30,0 cw(c-10,0) -10,20 -10,0 -10,-20 cw(c-10,0) -30,0 ; 10,-20 ccw(c10,0) 20,-17.32 ccw(c10,0) 10,20 10,19.32 10,0 10,-20
STM-LQFP176_N [mm] "Thin QFP, 176-Leads, Body 24x24mm, Pitch 0.5mm, IPC Medium Density"
  oval 1.8x0.3 smd: 1(-12.55,10.75) 2(-12.55,10.25) 3(-12.55,9.75) 4(-12.55,9.25) 5(-12.55,8.75) 6(-12.55,8.25) 7(-12.55,7.75) 8(-12.55,7.25) 9(-12.55,6.75) 10(-12.55,6.25) 11(-12.55,5.75) 12(-12.55,5.25) 13(-12.55,4.75) 14(-12.55,4.25) 15(-12.55,3.75) 16(-12.55,3.25) 17(-12.55,2.75) 18(-12.55,2.25) 19(-12.55,1.75) 20(-12.55,1.25) 21(-12.55,0.75) 22(-12.55,0.25) 23(-12.55,-0.25) 24(-12.55,-0.75) 25(-12.55,-1.25) 26(-12.55,-1.75) 27(-12.55,-2.25) 28(-12.55,-2.75) 29(-12.55,-3.25) 30(-12.55,-3.75) 31(-12.55,-4.25) 32(-12.55,-4.75) 33(-12.55,-5.25) 34(-12.55,-5.75) 35(-12.55,-6.25) 36(-12.55,-6.75) 37(-12.55,-7.25) 38(-12.55,-7.75) 39(-12.55,-8.25) 40(-12.55,-8.75) 41(-12.55,-9.25) 42(-12.55,-9.75) 43(-12.55,-10.25) 44(-12.55,-10.75) 89(12.55,-10.75) 90(12.55,-10.25) 91(12.55,-9.75) 92(12.55,-9.25) 93(12.55,-8.75) 94(12.55,-8.25) 95(12.55,-7.75) 96(12.55,-7.25) 97(12.55,-6.75) 98(12.55,-6.25) 99(12.55,-5.75) 100(12.55,-5.25) 101(12.55,-4.75) 102(12.55,-4.25) 103(12.55,-3.75) 104(12.55,-3.25) 105(12.55,-2.75) 106(12.55,-2.25) 107(12.55,-1.75) 108(12.55,-1.25) 109(12.55,-0.75) 110(12.55,-0.25) 111(12.55,0.25) 112(12.55,0.75) 113(12.55,1.25) 114(12.55,1.75) 115(12.55,2.25) 116(12.55,2.75) 117(12.55,3.25) 118(12.55,3.75) 119(12.55,4.25) 120(12.55,4.75) 121(12.55,5.25) 122(12.55,5.75) 123(12.55,6.25) 124(12.55,6.75) 125(12.55,7.25) 126(12.55,7.75) 127(12.55,8.25) 128(12.55,8.75) 129(12.55,9.25) 130(12.55,9.75) 131(12.55,10.25) 132(12.55,10.75)
  oval 0.3x1.8 smd: 45(-10.75,-12.55) 46(-10.25,-12.55) 47(-9.75,-12.55) 48(-9.25,-12.55) 49(-8.75,-12.55) 50(-8.25,-12.55) 51(-7.75,-12.55) 52(-7.25,-12.55) 53(-6.75,-12.55) 54(-6.25,-12.55) 55(-5.75,-12.55) 56(-5.25,-12.55) 57(-4.75,-12.55) 58(-4.25,-12.55) 59(-3.75,-12.55) 60(-3.25,-12.55) 61(-2.75,-12.55) 62(-2.25,-12.55) 63(-1.75,-12.55) 64(-1.25,-12.55) 65(-0.75,-12.55) 66(-0.25,-12.55) 67(0.25,-12.55) 68(0.75,-12.55) 69(1.25,-12.55) 70(1.75,-12.55) 71(2.25,-12.55) 72(2.75,-12.55) 73(3.25,-12.55) 74(3.75,-12.55) 75(4.25,-12.55) 76(4.75,-12.55) 77(5.25,-12.55) 78(5.75,-12.55) 79(6.25,-12.55) 80(6.75,-12.55) 81(7.25,-12.55) 82(7.75,-12.55) 83(8.25,-12.55) 84(8.75,-12.55) 85(9.25,-12.55) 86(9.75,-12.55) 87(10.25,-12.55) 88(10.75,-12.55) 133(10.75,12.55) 134(10.25,12.55) 135(9.75,12.55) 136(9.25,12.55) 137(8.75,12.55) 138(8.25,12.55) 139(7.75,12.55) 140(7.25,12.55) 141(6.75,12.55) 142(6.25,12.55) 143(5.75,12.55) 144(5.25,12.55) 145(4.75,12.55) 146(4.25,12.55) 147(3.75,12.55) 148(3.25,12.55) 149(2.75,12.55) 150(2.25,12.55) 151(1.75,12.55) 152(1.25,12.55) 153(0.75,12.55) 154(0.25,12.55) 155(-0.25,12.55) 156(-0.75,12.55) 157(-1.25,12.55) 158(-1.75,12.55) 159(-2.25,12.55) 160(-2.75,12.55) 161(-3.25,12.55) 162(-3.75,12.55) 163(-4.25,12.55) 164(-4.75,12.55) 165(-5.25,12.55) 166(-5.75,12.55) 167(-6.25,12.55) 168(-6.75,12.55) 169(-7.25,12.55) 170(-7.75,12.55) 171(-8.25,12.55) 172(-8.75,12.55) 173(-9.25,12.55) 174(-9.75,12.55) 175(-10.25,12.55) 176(-10.75,12.55)
  silkscreen extent -12.34,-11.25 11.25,11.62, body extent -12,-12 12,12, height 1.6
TO-252_L [mm] "D-PAK, 4-Leads, Body 6.1x6.5mm, Pitch 2.28mm, Lead Span 9.7mm, IPC High Density"
  rect 1.8x0.9 smd: 1(-4.2,2.28) 3(-4.2,-2.28)
  rect 6.2x5.45 smd: 4(2,0)
  silkscreen extent -4.28,-3.3 -1.5,3.3, body extent -2.05,-3.3 4.15,3.3, height 2.4
WCAP-ASLI_D8H10.5 [mm] "Aluminium Electrolytic V-Chip SMT Capacitors, 8x10.5mm"
  rect 4.2x1.9 smd: 1(3.5,0) 2(-3.5,0)
  silkscreen extent -4.25,-4.25 4.25,4.25, body extent -4.5,-4.15 4.5,4.15, height 10.5
WCAP-ASLL_D6.3H5.5 [mm] "Aluminium Electrolytic V-Chip SMT Capacitors, 6.3x5.5mm"
  rect 3.5x1.6 smd: 1(2.8,0) 2(-2.8,0)
  silkscreen extent -3.4,-3.4 3.4,3.4, body extent -3.65,-3.3 3.65,3.3, height 5.5
WCAP-CSGP_0603_L1.6W0.8H0.8_Reflow [mm] "Ceramic Capacitors, body 1.6x0.8mm"
  rect 0.8x0.8 smd: 1(-0.75,0) 2(0.75,0)
  body extent -0.8,-0.4 0.8,0.4, height 0.8
WCAP-PSLP_D6.3H7.7 [mm] "Aluminum Polymer Capacitors, body diameter 6.3mm"
  rect 3.5x1.6 smd: 1(2.8,0) 2(-2.8,0)
  silkscreen extent -3.4,-3.4 3.4,3.4, body extent -3.65,-3.3 3.65,3.3, height 7.7
WE-CBF_0603_L1.6W0.8H0.8_HC [mm] "SMD EMI Suppression Ferrite  Bead, body 1.60x0.80mm"
  rect 0.95x0.7 smd: 1(-0.825,0) 2(0.825,0)
  body extent -0.8,-0.4 0.8,0.4, height 0.8